# KiCad board nijuni.kicad_pcb
title: Nijuni; date: 2021-12-10; rev: 0.2
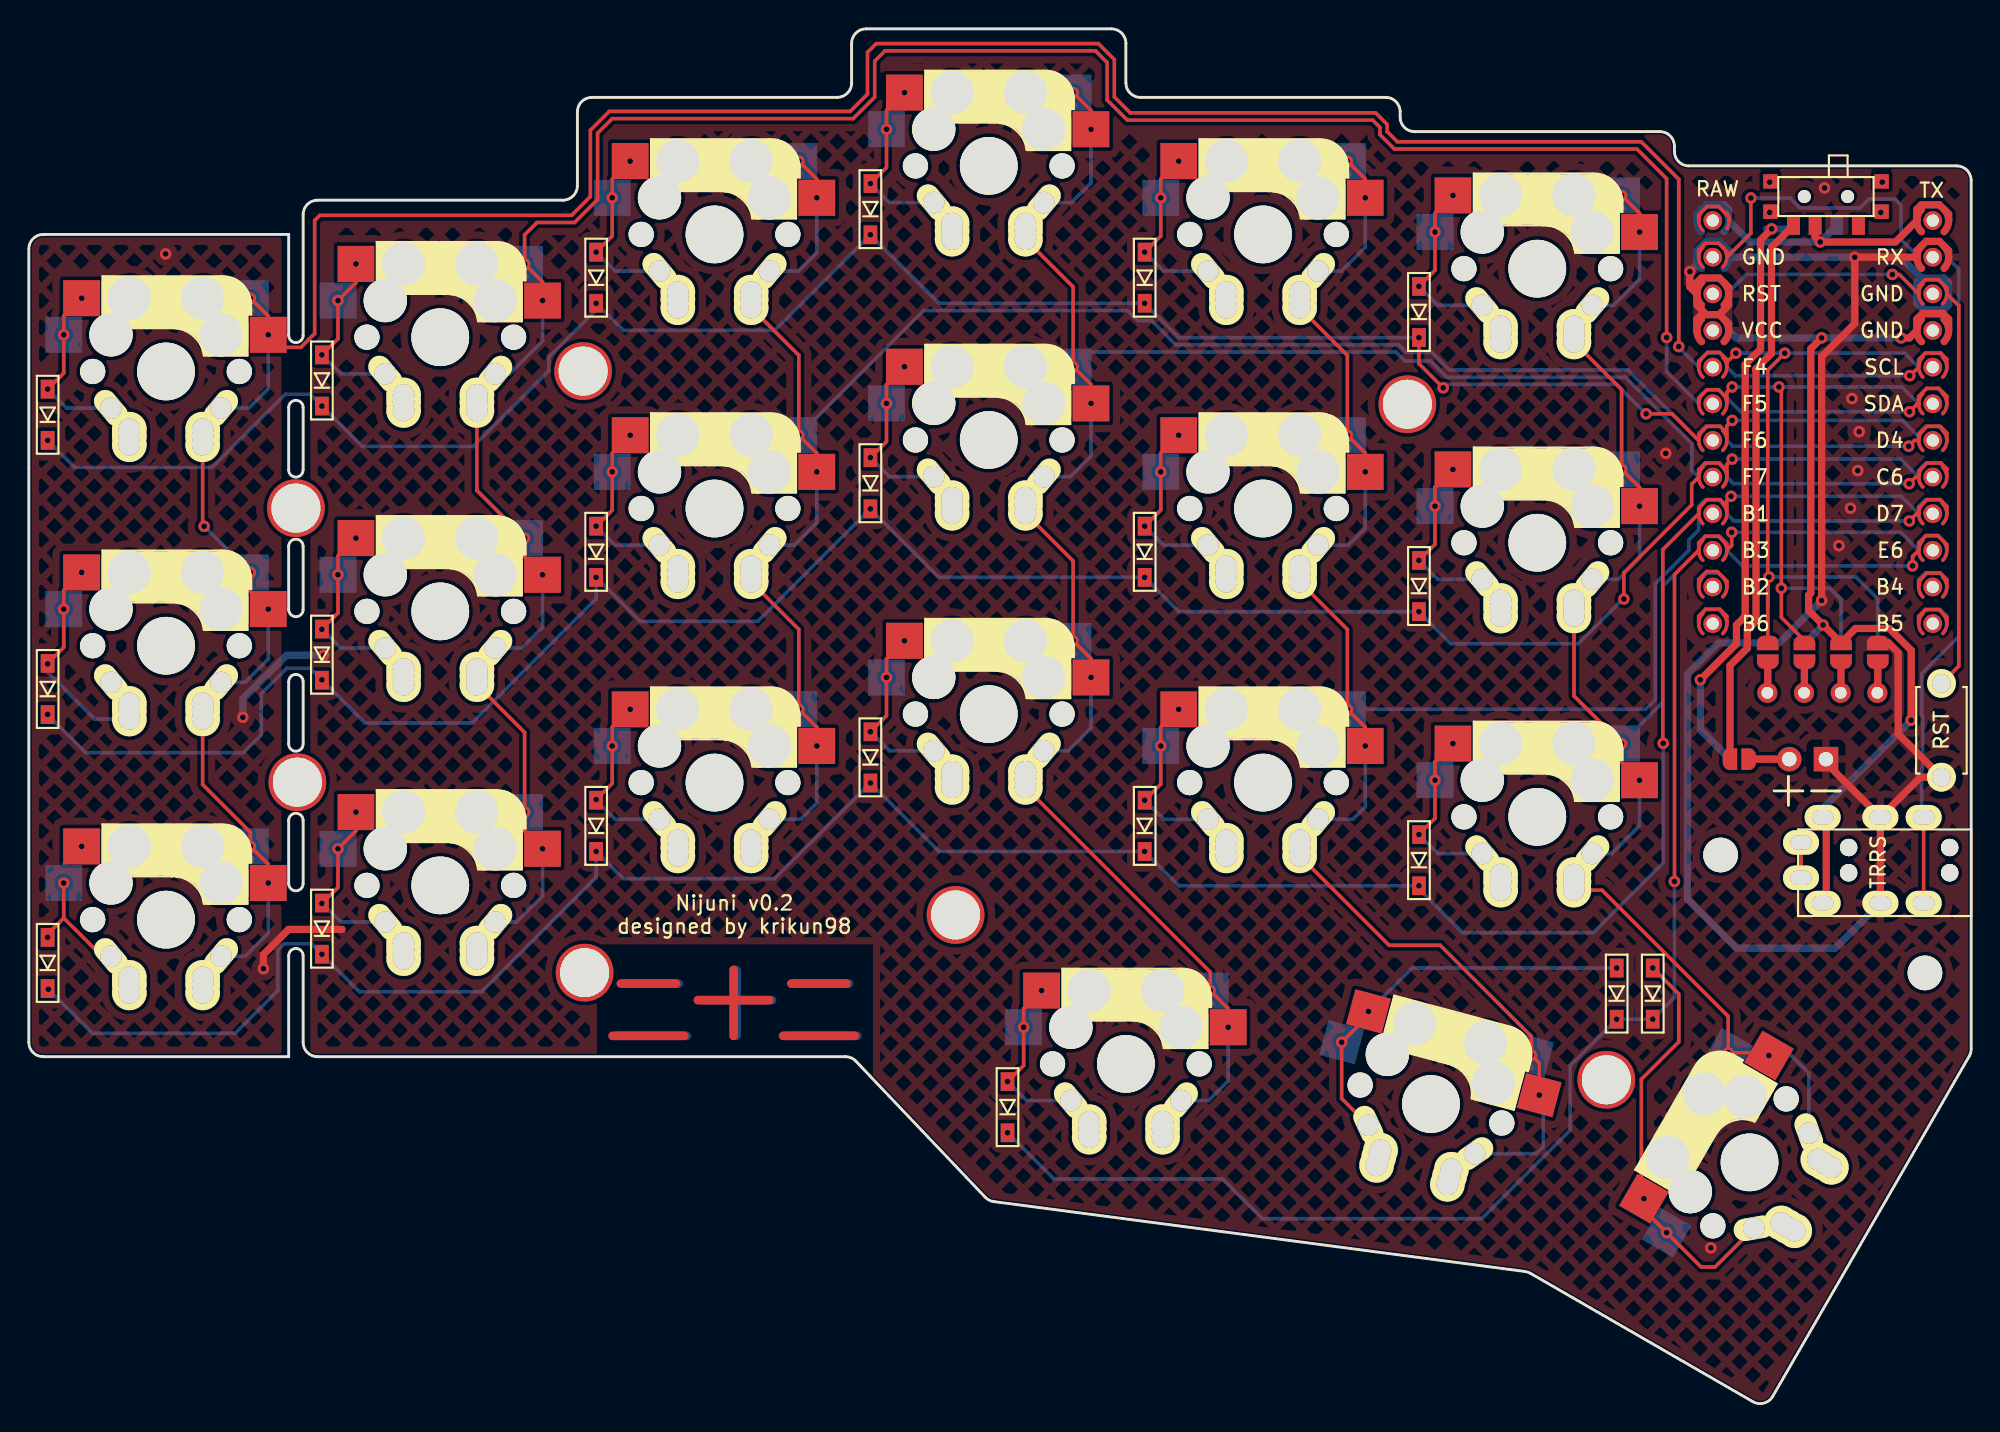
[diagram p0: board, top side]
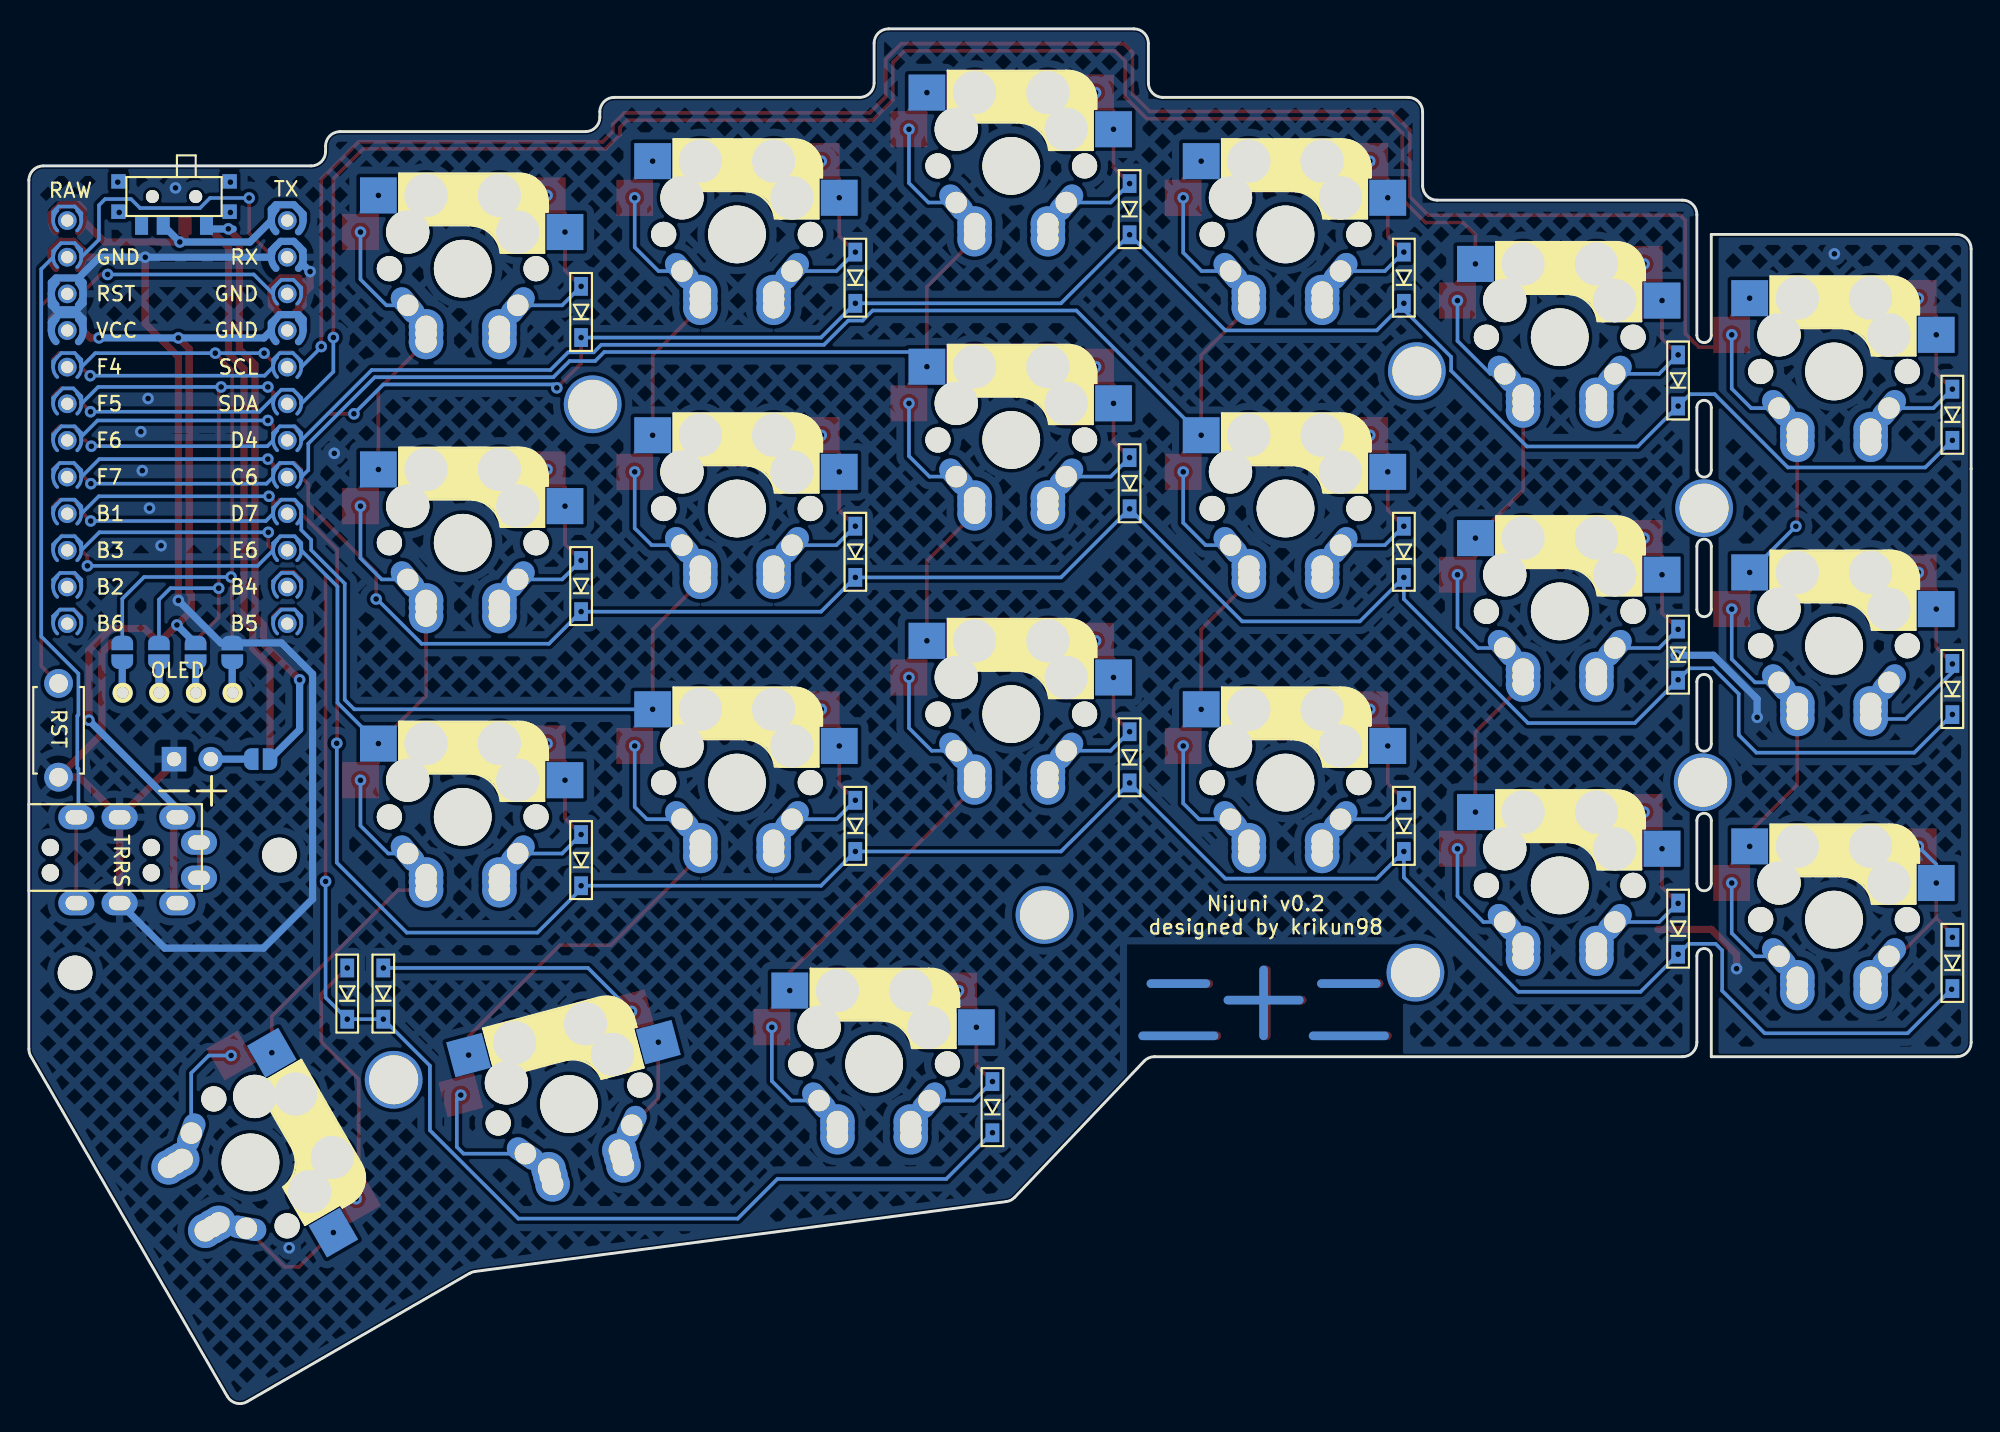
[diagram p1: board, bottom side, seen from below]

Outline 134.56 x 95.27 mm; copper layers: Top, Bottom. Coordinates in mm from the lower left corner of the outline.
Outline path: 0,80.02 arc(0.29,80.72) 1,81.02 18,81.02 18,74.02 arc(18.5,73.52) 19,74.02 19,82.39 arc(19.29,83.1) 20,83.39 37,83.39 arc(37.71,83.69) 38,84.39 38,89.52 arc(38.29,90.22) 39,90.52 56,90.52 arc(56.71,90.81) 57,91.52 57,94.27 arc(57.29,94.97) 58,95.27 75,95.27 arc(75.71,94.97) 76,94.27 76,91.52 arc(76.29,90.81) 77,90.52 94,90.52 arc(94.71,90.22) 95,89.52 95,89.14 arc(95.29,88.44) 96,88.14 113,88.14 arc(113.71,87.85) 114,87.14 114,86.77 arc(114.29,86.06) 115,85.77 133.56,85.77 arc(134.26,85.47) 134.56,84.77 134.56,24.55 arc(134.52,24.29) 134.42,24.05 120.81,0.47 arc(120.2,0) 119.44,0.1 104.02,9 arc(103.85,9.08) 103.66,9.13 66.85,13.97 arc(66.53,14.07) 66.26,14.27 57.29,23.71 arc(56.97,23.94) 56.58,24.02 20,24.02 arc(19.29,24.31) 19,25.02 19,31.02 arc(18.5,31.52) 18,31.02 18,24.02 0.99,24.02 arc(0.29,24.31) 0,25.01 0,64.77 0,80.02 ; 18,69.02 18,64.69 arc(18.5,64.19) 19,64.69 19,69.02 arc(18.5,69.52) 18,69.02 ; 18,59.39 arc(18.5,59.89) 19,59.39 19,55.02 arc(18.5,54.52) 18,55.02 18,59.39 ; 18,50.02 arc(18.5,50.52) 19,50.02 19,45.69 arc(18.5,45.19) 18,45.69 18,50.02 ; 18,40.39 18,36.02 arc(18.5,35.52) 19,36.02 19,40.39 arc(18.5,40.89) 18,40.39
Stack: Top 0.035mm / dielectric 0.72mm FR4 er 4.5 / Bottom 0.035mm

## Placement (name value [footprint] x y rotation side)
D1  D_Small  [D3_SMD]  1.3 68.52 90 top
D2  D_Small  [D3_SMD]  20.3 70.89 90 top
D3  D_Small  [D3_SMD]  39.3 78.02 90 top
D4  D_Small  [D3_SMD]  58.3 82.77 90 top
D5  D_Small  [D3_SMD]  77.3 78.02 90 top
D6  D_Small  [D3_SMD]  96.3 75.64 90 top
D7  D_Small  [D3_SMD]  1.3 49.5 90 top
D8  D_Small  [D3_SMD]  20.3 51.89 90 top
D9  D_Small  [D3_SMD]  39.3 59.02 90 top
D10  D_Small  [D3_SMD]  58.3 63.77 90 top
D11  D_Small  [D3_SMD]  77.3 59.02 90 top
D12  D_Small  [D3_SMD]  96.3 56.64 90 top
D13  D_Small  [D3_SMD]  1.3 30.52 90 top
D14  D_Small  [D3_SMD]  20.3 32.89 90 top
D15  D_Small  [D3_SMD]  39.3 40.02 90 top
D16  D_Small  [D3_SMD]  58.3 44.77 90 top
D17  D_Small  [D3_SMD]  77.3 40.02 90 top
D18  D_Small  [D3_SMD]  96.3 37.64 90 top
D20  D_Small  [D3_SMD]  67.8 20.52 90 top
D21  D_Small  [D3_SMD]  110 28.39 90 top
D22  D_Small  [D3_SMD]  112.5 28.39 90 top
H1  MountingHole  [M2-MountingHole-Standoff]  18.6 43.04 0 top
H2  MountingHole  [M2-MountingHole-Standoff]  18.5 62.04 0 top
H3  MountingHole  [M2-MountingHole-Standoff]  38.4 71.54 0 top
H4  MountingHole  [M2-MountingHole-Standoff]  38.5 29.84 0 top
H5  MountingHole  [M2-MountingHole-Standoff]  64.2 33.84 0 top
H6  MountingHole  [M2-MountingHole-Standoff]  95.5 69.24 0 top
H7  MountingHole  [M2-MountingHole-Standoff]  109.29 22.42 0 top
H8  MountingHole  [M2-ClearanceHole]  131.36 29.82 0 top
H9  MountingHole  [M2-ClearanceHole]  117.2 38 0 top
J1  -  [MJ-4PP-9]  134.57 36.77 270 top
J2  Conn_01x04  [OLED_v2]  124.25 49.24 180 bottom
J3  Conn_01x02_Female  [Battery_TH]  124.5 44.64 270 top
JP1  SolderJumper_2_Open  [SolderJumper-2_P1.3mm_Open_RoundedPad1.0x1.5mm]  120.47 52.05 90 top
JP2  SolderJumper_2_Open  [SolderJumper-2_P1.3mm_Open_RoundedPad1.0x1.5mm]  123.01 52.05 90 top
JP3  SolderJumper_2_Open  [SolderJumper-2_P1.3mm_Open_RoundedPad1.0x1.5mm]  125.55 52.05 90 top
JP4  SolderJumper_2_Open  [SolderJumper-2_P1.3mm_Open_RoundedPad1.0x1.5mm]  128.09 52.05 90 top
JP5  SolderJumper_2_Open  [SolderJumper-2_P1.3mm_Open_RoundedPad1.0x1.5mm]  120.47 52.05 90 bottom
JP6  SolderJumper_2_Open  [SolderJumper-2_P1.3mm_Open_RoundedPad1.0x1.5mm]  123.01 52.05 90 bottom
JP7  SolderJumper_2_Open  [SolderJumper-2_P1.3mm_Open_RoundedPad1.0x1.5mm]  125.55 52.05 90 bottom
JP8  SolderJumper_2_Open  [SolderJumper-2_P1.3mm_Open_RoundedPad1.0x1.5mm]  128.09 52.05 90 bottom
JP9  SolderJumper_2_Open  [SolderJumper-2_P1.3mm_Open_RoundedPad1.0x1.5mm]  118.5 44.64 180 top
JP10  SolderJumper_2_Open  [SolderJumper-2_P1.3mm_Open_RoundedPad1.0x1.5mm]  118.5 44.64 180 bottom
K1  KEYSW  [MX-Alps-HS-1U-REV]  9.5 71.52 0 top
K2  KEYSW  [MX-Alps-HS-1U-REV]  28.5 73.89 0 top
K3  KEYSW  [MX-Alps-HS-1U-REV]  47.5 81.02 0 top
K4  KEYSW  [MX-Alps-HS-1U-REV]  66.5 85.77 0 top
K5  KEYSW  [MX-Alps-HS-1U-REV]  85.5 81.02 0 top
K6  KEYSW  [MX-Alps-HS-1U-REV]  104.5 78.64 0 top
K7  KEYSW  [MX-Alps-HS-1U-REV]  9.5 52.5 0 top
K8  KEYSW  [MX-Alps-HS-1U-REV]  28.5 54.89 0 top
K9  KEYSW  [MX-Alps-HS-1U-REV]  47.5 62.02 0 top
K10  KEYSW  [MX-Alps-HS-1U-REV]  66.5 66.77 0 top
K11  KEYSW  [MX-Alps-HS-1U-REV]  85.5 62.02 0 top
K12  KEYSW  [MX-Alps-HS-1U-REV]  104.5 59.64 0 top
K13  KEYSW  [MX-Alps-HS-1U-REV]  9.5 33.52 0 top
K14  KEYSW  [MX-Alps-HS-1U-REV]  28.5 35.89 0 top
K15  KEYSW  [MX-Alps-HS-1U-REV]  47.5 43.02 0 top
K16  KEYSW  [MX-Alps-HS-1U-REV]  66.5 47.77 0 top
K17  KEYSW  [MX-Alps-HS-1U-REV]  85.5 43.02 0 top
K18  KEYSW  [MX-Alps-HS-1U-REV]  104.5 40.64 0 top
K20  KEYSW  [MX-Alps-HS-1U-REV]  76 23.52 0 top
K21  KEYSW  [MX-Alps-HS-1U-REV]  97.14 20.73 345 top
K22  KEYSW  [MX-Alps-HS-1.5U-REV]  119.2 16.69 60 top
RSW1  SW_PUSH  [ResetSW]  132.5 46.64 90 top
SW1  SW_SPDT  [SW_SPDT+H-MSK12C01_hor(7pin_SMD)]  124.5 83.64 180 top
SW2  SW_SPDT  [SW_SPDT+H-MSK12C01_hor(7pin_SMD)#2]  124.5 83.64 0 bottom
U1  ProMicro  [ProMicro_Flipped_v2_A]  124.28 69.27 0 top
U2  ProMicro  [ProMicro_Flipped_v2_B]  124.28 69.27 180 bottom

## Footprints (pads in the part's own frame, mm; a bottom-side part is the same pattern mirrored in y, then rotated)
Battery_TH
  rect 1.7x1.7 hole 1: 1(0,0)
  oval 1.7x1.7 hole 1: 2(0,-2.54)
D3_SMD
  rect 1.3x0.95 smd: 1(-1.775,0) 2(1.775,0)
  rect 1.3x0.95 smd far side: 1(-1.775,0) 2(1.775,0)
M2-ClearanceHole
  round 2.4 hole 2.4 unplated: (0,0)
M2-MountingHole-Standoff
  round 4 hole 3.4: (0,0)
MJ-4PP-9
  round 1.2 hole 1.2 unplated: (-1.75,-1.5) (-1.75,-8.5) (0,-1.5) (0,-8.5)
  oval 1.7x2.5 hole 1x1.5: A(-2.1,-11.8) A(0.35,-11.8) B(-3.85,-3.3) B(2.1,-3.3) C(-3.85,-6.3) C(2.1,-6.3) D(-3.85,-10.3) D(2.1,-10.3)
MX-Alps-HS-1.5U-REV
  round 1.75 hole 1.75 unplated: (-5.08,0) (5.08,0)
  round 3 hole 3 unplated: (-3.81,2.54) (-2.54,5.08) (2.54,5.08) (3.81,2.54)
  round 4 hole 4 unplated: (0,0)
  rect 2.55x2.5 smd far side: 1(-7.085,2.54) 2(5.842,5.08)
  rect 2.55x2.5 smd: 1(-5.842,5.08) 2(7.085,2.54)
  oval 2.8x1.55 hole 1.5 rot 130: 1(-3.81,-2.54)
  round 2.4 hole 1.5: 1(-2.54,-4.5) 1(-2.54,-4) 1(-2.54,-5.08) 2(2.54,-4.5) 2(2.54,-5.08) 2(2.54,-4)
  oval 2.8x1.55 hole 1.5 rot 50: 2(3.81,-2.54)
MX-Alps-HS-1U-REV
  round 1.75 hole 1.75 unplated: (-5.08,0) (5.08,0)
  round 3 hole 3 unplated: (-3.81,2.54) (-2.54,5.08) (2.54,5.08) (3.81,2.54)
  round 4 hole 4 unplated: (0,0)
  rect 2.55x2.5 smd far side: 1(-7.085,2.54) 2(5.842,5.08)
  rect 2.55x2.5 smd: 1(-5.842,5.08) 2(7.085,2.54)
  oval 2.8x1.55 hole 1.5 rot 130: 1(-3.81,-2.54)
  round 2.4 hole 1.5: 1(-2.54,-4) 1(-2.54,-4.5) 1(-2.54,-5.08) 2(2.54,-4) 2(2.54,-4.5) 2(2.54,-5.08)
  oval 2.8x1.55 hole 1.5 rot 50: 2(3.81,-2.54)
OLED_v2
  round 1.397 hole 0.813: 1(-3.81,0) 2(-1.27,0) 3(1.27,0) 4(3.81,0)
ProMicro_Flipped_v2_A
  round 1.3 hole 0.85: (-7.62,12.71) (-7.62,10.17) (-7.62,7.63) (-7.62,5.09) (-7.62,2.55) (-7.62,0.01) (-7.62,-2.53) (-7.62,-5.07) (-7.62,-7.61) (-7.62,-10.15) (-7.62,-12.69) (-7.62,-15.23) (7.62,12.71) (7.62,10.17) (7.62,7.63) (7.62,5.09) (7.62,2.55) (7.62,0.01) (7.62,-2.53) (7.62,-5.07) (7.62,-7.61) (7.62,-10.15) (7.62,-12.69) (7.62,-15.23)
  custom 0.536x1.625 smd far side: 1(6.645,12.71) 1(8.595,12.71) 2(6.645,10.17) 2(8.595,10.17) 5(6.645,2.55) 5(8.595,2.55) 6(6.645,0.01) 6(8.595,0.01) 7(6.645,-2.53) 7(8.595,-2.53) 8(6.645,-5.07) 8(8.595,-5.07) 9(6.645,-7.61) 9(8.595,-7.61) 10(6.645,-10.15) 10(8.595,-10.15) 11(6.645,-12.69) 11(8.595,-12.69) 12(6.645,-15.23) 12(8.595,-15.23) 13(-8.595,-15.23) 13(-6.645,-15.23) 14(-8.595,-12.69) 14(-6.645,-12.69) 15(-8.595,-10.15) 15(-6.645,-10.15) 16(-8.595,-7.61) 16(-6.645,-7.61) 17(-8.595,-5.07) 17(-6.645,-5.07) 18(-8.595,-2.53) 18(-6.645,-2.53) 19(-8.595,0.01) 19(-6.645,0.01) 20(-8.595,2.55) 20(-6.645,2.55) 22(-8.595,7.63) 22(-6.645,7.63)
  custom 0.822x2.052 smd far side: 3(6.52,7.63) 3(8.72,7.63) 4(6.52,5.09) 4(8.72,5.09) 21(-8.72,5.09) 21(-6.52,5.09) 23(-8.72,10.17) 23(-6.52,10.17) 24(-8.72,12.71) 24(-6.52,12.71)
ProMicro_Flipped_v2_B
  custom 0.401x1.363 smd far side: 1(6.495,12.71)
  custom 0.536x1.625 smd far side: 1(8.595,12.71) 2(6.645,10.17) 2(8.595,10.17) 5(6.645,2.55) 5(8.595,2.55) 6(6.645,0.01) 6(8.595,0.01) 7(6.645,-2.53) 7(8.595,-2.53) 8(6.645,-5.07) 8(8.595,-5.07) 9(6.645,-7.61) 9(8.595,-7.61) 10(6.645,-10.15) 10(8.595,-10.15) 11(6.645,-12.69) 11(8.595,-12.69) 12(6.645,-15.23) 12(8.595,-15.23) 13(-8.595,-15.23) 13(-6.645,-15.23) 14(-8.595,-12.69) 14(-6.645,-12.69) 15(-8.595,-10.15) 15(-6.645,-10.15) 16(-8.595,-7.61) 16(-6.645,-7.61) 17(-8.595,-5.07) 17(-6.645,-5.07) 18(-8.595,-2.53) 18(-6.645,-2.53) 19(-8.595,0.01) 19(-6.645,0.01) 20(-8.595,2.55) 20(-6.645,2.55) 22(-8.595,7.63) 22(-6.645,7.63)
  custom 0.822x2.052 smd far side: 3(6.52,7.63) 3(8.72,7.63) 4(6.52,5.09) 4(8.72,5.09) 21(-8.72,5.09) 21(-6.52,5.09) 23(-8.72,10.17) 23(-6.52,10.17) 24(-8.72,12.71) 24(-6.52,12.71)
ResetSW
  round 2 hole 1.3: 1(3.25,0) 2(-3.25,0)
SolderJumper-2_P1.3mm_Open_RoundedPad1.0x1.5mm
  custom 1x1.5 smd: 1(-0.65,0) 2(0.65,0)
SW_SPDT+H-MSK12C01_hor(7pin_SMD)
  round 0.9 hole 0.9 unplated: (-1.5,0) (1.5,0)
  rect 0.9x1.3 smd: 1(-2.25,2) 2(0.75,2) 3(2.25,2)
  rect 1x1 smd: H(-3.85,1.05) H(-3.85,-1.05) H(3.85,1.05) H(3.85,-1.05)
SW_SPDT+H-MSK12C01_hor(7pin_SMD)#2
  rect 0.9x1.3 smd: 1(-2.25,2) 2(0.75,2) 3(2.25,2)
  rect 1x1 smd: H(-3.85,-1.05) H(-3.85,1.05) H(3.85,-1.05) H(3.85,1.05)

## Nets
GND: J1.C J3.1 JP4.2 JP5.2 RSW1.2 U1.3 U1.4 U1.23 U2.3 U2.4 U2.23
VCC: J1.D JP3.2 JP6.2 U1.21 U2.21
COL0: K1.2 K7.2 K13.2 U1.20 U2.20
COL1: K2.2 K8.2 K14.2 U1.19 U2.19
COL2: K3.2 K9.2 K15.2 U1.18 U2.18
COL3: K4.2 K10.2 K16.2 K20.2 U1.17 U2.17
COL4: K5.2 K11.2 K17.2 K21.2 U1.16 U2.16
COL5: K6.2 K12.2 K18.2 K22.2 U1.15 U2.15
DATA: J1.B U1.2 U2.2
RAW: SW1.2 SW2.2 U1.24 U2.24
RESET: RSW1.1 U1.22 U2.22
ROW0: D1.1 D2.1 D3.1 D4.1 D5.1 D6.1 U1.7 U2.7
ROW1: D7.1 D8.1 D9.1 D10.1 D11.1 D12.1 U1.8 U2.8
ROW2: D13.1 D14.1 D15.1 D16.1 D17.1 D18.1 U1.9 U2.9
ROW3: D20.1 D21.1 D22.1 U1.10 U2.10
SCL: JP2.2 JP7.2 U1.6 U2.6
SDA: JP1.2 JP8.2 U1.5 U2.5
Net-(D1-Pad2): D1.2 K1.1
Net-(D2-Pad2): D2.2 K2.1
Net-(D3-Pad2): D3.2 K3.1
Net-(D4-Pad2): D4.2 K4.1
Net-(D5-Pad2): D5.2 K5.1
Net-(D6-Pad2): D6.2 K6.1
Net-(D7-Pad2): D7.2 K7.1
Net-(D8-Pad2): D8.2 K8.1
Net-(D9-Pad2): D9.2 K9.1
Net-(D10-Pad2): D10.2 K10.1
Net-(D11-Pad2): D11.2 K11.1
Net-(D12-Pad2): D12.2 K12.1
Net-(D13-Pad2): D13.2 K13.1
Net-(D14-Pad2): D14.2 K14.1
Net-(D15-Pad2): D15.2 K15.1
Net-(D16-Pad2): D16.2 K16.1
Net-(D17-Pad2): D17.2 K17.1
Net-(D18-Pad2): D18.2 K18.1
Net-(D20-Pad2): D20.2 K20.1
Net-(D21-Pad2): D21.2 K21.1
Net-(D22-Pad2): D22.2 K22.1
Net-(J2-Pad1): J2.1 JP4.1 JP8.1
Net-(J2-Pad2): J2.2 JP3.1 JP7.1
Net-(J2-Pad3): J2.3 JP2.1 JP6.1
Net-(J2-Pad4): J2.4 JP1.1 JP5.1
Net-(J3-Pad2): J3.2 JP9.1 JP10.1
Net-(JP9-Pad2): JP9.2 SW1.3
Net-(JP10-Pad2): JP10.2 SW2.1

Pads without a net: J1 A; SW1 1 H; SW2 3 H; U1 1 11 12 13 14; U2 1 11 12 13 14

## Via types
v1: diameter 0.8, hole 0.4, Top to Bottom, 178 vias

## Routing (per net, layer and track width the routed paths; a pad name or vN(x,y) marks a point on that pad's centre or on a via; arc(x,y) is an arc through that point)
GND: length 163.1
  Top w0.5: v1(115.07,78.44) 115.07,77.38 U2.3 ; v1(16.25,30.12) 16.25,31.1 17.99,32.84 21.7,32.84 ; U2.4 115.56,75.14 115.87,75.46 117.11,75.46 117.76,74.81 U2.4 ; JP4.2 128.84,52.7 129.5,52.03 129.5,46.39 RSW1.2 131.05,43.39 J1.C ; U2.3 115.56,76.11 116.22,75.46 ; U2.3 115.56,77.68 115.87,78 117.11,78 117.76,77.35 U2.3 117.76,76.11 117.1,75.46 ; v1(124.2,55.64) 124.2,72.54 126.5,74.84 126.5,79.43 v1(126.49,79.44) U2.23 130.8,79.89 131.44,80.54 132.35,80.54 133,79.89 U2.23 ; J1.C 124.5,44.39 J3.1 ; J1.C J1.C
  Bottom w0.5: v1(14.82,47.54) 14.82,48.82 17.85,51.84 v1(20.42,51.84) ; 131.11,78 130.8,77.68 U1.3 130.8,76.24 131.24,75.8 132.68,75.8 133,76.11 U1.3 133,77.68 132.68,78 131.11,78 ; 131.11,78 129.67,79.44 v1(126.49,79.44) U1.23 117.76,79.89 117.11,80.54 116.2,80.54 115.56,79.89 U1.23 115.56,78.93 v1(115.07,78.44) ; J1.C 125.15,31.54 118.3,31.54 114.9,34.94 114.9,50.54 117.05,52.7 JP5.2 121.25,52.7 v1(124.2,55.64) ; U1.4 133,74.94 132.49,75.46 131.11,75.46 130.8,75.14 U1.4
  vias: v1(9.47,79.67) v1(113.4,65.84) v1(116.52,10.77) v1(124.4,84.24) v1(125.4,59.44) v1(126.2,62.04) v1(126.3,69.64) v1(126.7,64.64) v1(126.8,67.34)
VCC: length 71.9
  Top w0.5: J1.D 124.52,34.92 124.52,40.37 J1.D ; U2.21 133,75.14 132.6,75.54 131.2,75.54 130.8,75.14 U2.21 130.28,73.84 v1(129.7,73.84) ; v1(124.2,73.84) 123.45,73.09 123.45,56.16 123.3,56.01 123.3,54.94 v1(124.3,53.94) JP3.2 126.55,53.7 128.89,53.7 130.4,52.19 v1(130.4,47.34)
  Bottom w0.5: v1(129.7,73.84) v1(124.2,73.84) 118.27,73.84 U1.21 117.76,74.88 117.19,75.46 115.87,75.46 115.56,75.14 U1.21 ; v1(130.4,47.34) 124.27,41.21 J1.D ; v1(124.3,53.94) 123.05,52.7 JP6.2
(no net):
  vias: v1(120.6,84.64) v1(120.6,82.54) v1(128.3,82.54) v1(128.4,84.64)
COL0: length 216.7
  Top w0.25: v1(12.14,60.78) 12.04,60.89 K1.2 K1.2 K1.2 13.31,68.79 K1.2 ; K13.2 13.31,30.79 K13.2 K13.2 K13.2 ; v1(130.3,71.22) 130.33,71.22 U2.20 130.92,72.33 131.38,72.79 132.45,72.79 132.87,72.37 U2.20 ; v1(16.58,36.06) 16.58,37.35 v1(15.34,38.6) 15.34,39.58 12.04,42.88 K7.2 K7.2 K7.2 13.31,49.77 K7.2 ; v1(15.34,76.6) 16.58,75.35 v1(16.58,74.06) 17.45,73.19 18.85,73.19 19.8,74.14 19.8,81.99 20.15,82.34 37.6,82.34 38.9,83.64 38.9,88.24 40.2,89.54 56.9,89.54 58.1,90.74 58.1,93.64 58.7,94.24 74.1,94.24 75.2,93.14 75.2,90.54 76.3,89.44 93.3,89.44 94.1,88.64 94.1,88.14 94.8,87.44 111.7,87.44 114.3,84.84 v1(114.3,73.24) ; v1(16.58,55.04) 15.34,56.29 v1(15.34,57.58)
  Bottom w0.25: K1.2 15.23,68.98 16.58,70.33 v1(16.58,74.06) ; v1(12.14,60.78) v1(15.34,57.58) ; v1(114.3,73.24) 114.3,73.2 U1.20 115.68,72.22 116.25,72.79 117.17,72.79 117.63,72.33 U1.20 118.23,71.22 v1(130.3,71.22) ; K7.2 14.97,49.96 16.58,51.58 v1(16.58,55.04) ; v1(16.58,36.06) 16.58,32.58 14.98,30.98 K13.2
COL1: length 193.8
  Top w0.25: U2.19 132.87,69.79 132.32,70.34 131.47,70.34 130.92,69.79 U2.19 130.84,69.28 v1(130.29,68.73) ; K8.2 32.31,52.16 K8.2 K8.2 34.34,46.5 v1(34.34,40.97) 34.34,39.68 v1(35.58,38.43) ; K2.2 31.04,70.08 K2.2 K2.2 K2.2 31.04,63.27 v1(34.34,59.97) 34.34,58.67 v1(35.58,57.43) ; K14.2 32.31,33.16 K14.2 K14.2 K14.2 ; v1(113.46,73.87) 113.46,84.88 111.4,86.94 94.59,86.94 93.6,87.94 93.6,88.44 93.1,88.94 76.1,88.94 74.7,90.34 74.7,92.94 73.89,93.74 59.31,93.74 58.6,93.04 58.6,90.54 57.11,89.04 40.41,89.04 39.4,88.04 39.4,83.44 37.81,81.84 35.2,81.84 34.34,80.98 v1(34.34,78.97) 35.58,77.73 v1(35.58,76.43)
  Bottom w0.25: v1(35.58,57.43) 35.58,53.78 34.15,52.35 K8.2 ; v1(130.29,68.73) 118.59,68.73 117.06,70.25 116.25,70.25 115.68,69.68 U1.19 113.46,71.5 v1(113.46,73.87) ; 117.63,69.68 U1.19 ; K2.2 33.3,71.35 35.58,73.63 v1(35.58,76.43) ; K14.2 33.78,33.35 35.58,35.15 v1(35.58,38.43)
COL2: length 151.5
  Top w0.25: v1(54.58,45.56) 54.58,46.85 v1(53.34,48.1) 53.34,53.64 K9.2 K9.2 K9.2 50.04,58.21 K9.2 ; v1(54.58,83.56) 54.58,84.85 v1(53.34,86.1) ; K15.2 50.04,39.21 K15.2 K15.2 K15.2 ; U2.18 132.87,67.25 132.41,67.71 131.49,67.71 130.92,67.14 U2.18 130.63,66.74 v1(130.23,66.34) ; v1(54.58,64.56) 54.58,65.85 v1(53.34,67.1) 53.34,72.64 K3.2 K3.2 K3.2 50.04,77.21 K3.2
  Bottom w0.25: v1(54.58,45.56) 54.58,41.58 53.48,40.48 K15.2 ; v1(54.58,83.56) 54.58,79.75 53.31,78.48 K3.2 ; v1(53.34,67.1) 61.99,75.74 76.1,75.74 76.8,75.04 77.79,75.04 79.47,73.37 94.9,73.37 95.42,72.84 97.2,72.84 98.43,71.62 110.8,71.62 U1.18 115.68,67.25 116.14,67.71 117.17,67.71 117.63,67.25 U1.18 118.04,66.34 v1(130.23,66.34) ; v1(54.58,64.56) 54.58,61.03 53.03,59.48 K9.2
COL3: length 163.1
  Top w0.25: K10.2 69.04,62.96 K10.2 K10.2 K10.2 72.34,58.39 v1(72.34,52.85) 73.58,51.6 v1(73.58,50.31) ; v1(130.26,63.74) 130.72,64.2 U2.17 130.92,64.6 131.49,65.17 132.47,65.17 132.87,64.77 U2.17 ; K20.2 78.54,19.71 K20.2 K20.2 K20.2 ; v1(72.34,90.85) 73.58,89.6 v1(73.58,88.31) ; K4.2 69.04,81.96 K4.2 K4.2 K4.2 72.34,77.39 v1(72.34,71.85) 73.58,70.6 v1(73.58,69.31) ; v1(83.08,26.06) 83.08,27.35 v1(81.84,28.6) 81.84,29.89 K16.2 K16.2 K16.2 69.04,43.96 K16.2
  Bottom w0.25: v1(130.26,63.74) 118.09,63.74 U1.17 117.63,64.71 117.17,65.17 116.25,65.17 115.68,64.6 U1.17 115.2,64.68 115.2,66.51 110.6,71.12 98.22,71.12 97.1,72.24 95.32,72.24 94.69,72.87 73.33,72.87 72.34,71.88 v1(72.34,71.85) ; v1(73.58,50.31) 73.58,46.8 72.01,45.23 K16.2 ; K4.2 72.23,83.23 73.58,84.58 v1(73.58,88.31) ; v1(73.58,69.31) 73.58,65.65 72.16,64.23 K10.2 ; K20.2 81.74,20.98 83.08,22.33 v1(83.08,26.06)
COL4: length 155.1
  Top w0.25: K11.2 89.31,59.29 K11.2 K11.2 K11.2 91.34,53.64 v1(91.34,48.1) 92.58,46.85 v1(92.58,45.56) ; K21.2 99.08,16.21 K21.2 98.42,16.08 K21.2 98.27,15.58 K21.2 ; U2.16 132.87,62.17 132.41,62.63 131.49,62.63 130.92,62.06 U2.16 130.78,61.66 v1(130.27,61.15) ; v1(104.64,21.35) 104.64,23.59 v1(104.09,24.13) 104.09,25.42 97.77,31.74 94.23,31.74 K17.2 K17.2 88.04,39.21 K17.2 ; v1(92.58,83.56) 92.58,84.85 v1(91.34,86.1) ; K5.2 89.31,78.29 K5.2 K5.2 91.34,72.64 v1(91.34,67.1) 92.58,65.85 v1(92.58,64.56)
  Bottom w0.25: v1(92.58,64.56) 92.58,60.65 91.41,59.48 K11.2 ; K5.2 90.93,78.48 92.58,80.13 v1(92.58,83.56) ; v1(92.58,45.56) 92.58,41.33 91.73,40.48 K17.2 ; v1(104.64,21.35) 104.91,21.08 104.91,17.76 104.45,17.3 K21.2 ; v1(91.34,48.1) 112.01,48.1 112.68,48.76 112.68,56.82 115,59.14 115,59.84 115.68,60.53 U1.16 115.68,62.17 116.14,62.63 117.06,62.63 117.63,62.06 U1.16 118.14,61.15 v1(130.27,61.15)
COL5: length 128.1
  Top w0.25: K18.2 108.31,37.91 K18.2 K18.2 108.98,35.56 117.73,26.81 v1(117.73,24.29) 120.35,24.29 v1(120.55,24.1) ; K22.2 124.58,16.64 K22.2 124.12,16.89 K22.2 123.31,17.52 K22.2 ; v1(110.34,83.72) 111.58,82.48 v1(111.58,81.18) ; U2.15 132.87,59.52 132.25,60.14 131.43,60.14 130.92,59.63 U2.15 130.5,58.69 v1(130.5,58.04) ; K6.2 108.31,75.91 K6.2 K6.2 110.34,70.26 v1(110.34,64.72) 111.58,63.48 v1(111.58,62.18) ; v1(111.58,43.18) 110.34,44.43 v1(110.34,45.72) 107.04,49.02 K12.2 K12.2 K12.2 108.31,56.91 K12.2
  Bottom w0.25: v1(130.5,58.04) 118.71,58.04 U1.15 117.63,59.61 117.15,60.09 116.14,60.09 115.68,59.63 U1.15 113.17,56.61 113.17,48.56 v1(110.34,45.72) ; v1(111.58,43.18) 111.58,40.03 109.66,38.1 K18.2 ; K6.2 109.78,76.1 111.58,77.9 v1(111.58,81.18) ; v1(120.55,24.1) 122.1,24.1 123.31,22.88 K22.2 ; v1(111.58,62.18) 111.58,58.58 110.11,57.1 K12.2
DATA: length 72.9
  Top w0.25: U2.2 115.68,79.95 116.14,80.41 117.06,80.41 117.63,79.84 U2.2 119.3,81.1 v1(119.3,83.54) ; J1.B J1.B
  Bottom w0.25: J1.B 131.13,40.76 131.13,43.96 131.2,44.04 131.2,47.64 131.13,47.71 131.13,50.57 133.7,53.14 133.7,78.61 U1.2 132.87,79.87 132.33,80.41 131.38,80.41 130.92,79.95 U1.2 129.7,80.66 129.7,83.04 129.28,83.47 127.48,83.47 126.85,82.84 122.7,82.84 122,83.54 v1(119.3,83.54)
RAW: length 24.9
  Top w0.5: U2.24 133,82.43 132.35,83.08 131.11,83.08 130.8,82.76 U2.24 129.31,80.49 v1(124.1,80.49) 123.75,80.84 SW1.2
  Bottom w0.5: SW2.2 v1(124.1,80.49) 119.24,80.49 U1.24 117.76,82.76 117.44,83.08 116.2,83.08 115.56,82.43 U1.24
RESET: length 48.8
  Top w0.25: v1(129.1,78.24) 129.58,78.24 U2.22 130.92,77.41 131.38,77.87 132.3,77.87 132.87,77.3 U2.22 133.7,76.07 133.7,51.09 RSW1.1
  Bottom w0.25: v1(129.1,78.24) 118.98,78.24 U1.22 117.63,77.3 117.06,77.87 116.23,77.87 115.68,77.33 U1.22
ROW0: length 155.4
  Top w0.25: U2.7 117.63,67.75 v1(118,68.12) ; v1(112.04,68.58) 113.84,68.58 U2.7 115.68,67.14 116.25,67.71 117.17,67.71 117.63,67.25 ; v1(96.3,73.87) 96.3,72.06 v1(97.98,70.38)
  Bottom w0.25: U1.7 132.87,67.14 132.3,67.71 131.38,67.71 130.92,67.25 U1.7 ; v1(96.3,73.87) 79.67,73.87 v1(77.3,76.24) 63.05,76.24 v1(58.3,80.99) 51.67,74.36 41.18,74.36 v1(39.3,76.24) 39.3,75.8 36.03,72.53 36.03,71.57 30.77,66.32 23.1,66.32 v1(20.3,69.12) 19.47,69.94 17.77,69.94 12.69,64.86 3.18,64.86 v1(1.3,66.74) ; v1(97.98,70.38) 98.22,70.62 110,70.62 v1(112.04,68.58) ; 130.92,66.99 129.8,68.12 v1(118,68.12)
ROW1: length 162.3
  Top w0.25: v1(110.5,55.74) 110.5,57.57 115.2,62.27 115.2,63.71 U2.8 115.68,64.71 116.14,65.17 117.06,65.17 117.63,64.6 ; v1(118,65.44) 117.63,65.08 U2.8
  Bottom w0.25: D7.1 3.94,45.09 14.87,45.09 16.1,46.32 16.1,49.17 17.87,50.94 19.5,50.94 v1(20.3,50.14) 23.3,47.14 30.7,47.14 39.3,55.74 v1(39.3,57.24) 42.35,54.19 50.5,54.19 v1(58.3,61.99) 63.05,57.24 v1(77.3,57.24) 79.67,54.87 v1(96.3,54.87) 98.52,52.64 107.35,52.64 110.45,55.74 v1(110.5,55.74) ; U1.8 132.87,64.71 132.41,65.17 131.43,65.17 130.92,64.67 U1.8 129.68,65.44 v1(118,65.44)
  vias: v1(1.3,47.74)
ROW2: length 180
  Top w0.25: U2.9 117.63,62.58 v1(117.92,62.87) ; 117.63,62.17 117.17,62.63 116.25,62.63 115.68,62.06 U2.9 113.2,59.17 113.2,45.77 v1(113.23,45.74)
  Bottom w0.25: D13.1 v1(1.35,28.69) 4.4,25.64 14.3,25.64 17.25,28.59 17.25,31.39 17.7,31.84 19.57,31.84 v1(20.3,31.12) 22.9,28.52 31.37,28.52 39.3,36.44 v1(39.3,38.24) 41.18,36.36 51.67,36.36 v1(58.3,42.99) 63.05,38.24 v1(77.3,38.24) 79.67,35.87 v1(96.3,35.87) 96.3,35.64 99.32,32.62 108.37,32.62 113.23,37.47 v1(113.23,45.74) ; U1.9 132.87,62.06 132.3,62.63 131.38,62.63 130.92,62.17 U1.9 129.72,62.87 v1(117.92,62.87)
ROW3: length 111
  Top w0.25: v1(117.97,60.37) 117.97,59.45 U2.10 117.63,59.52 117.06,60.09 116.14,60.09 115.68,59.63 U2.10 114.01,57.44 114.01,36.17 v1(114,36.17)
  Bottom w0.25: v1(114,36.17) 114,36.17 114,28.12 v1(112.5,26.62) v1(110,26.62) 106.77,23.39 106.77,18.92 100.65,12.79 85.45,12.79 82.7,15.54 71,15.54 v1(67.8,18.74) 67.8,18.92 ; U1.10 132.87,59.52 132.3,60.09 131.38,60.09 130.92,59.63 U1.10 129.67,60.37 v1(117.97,60.37)
SCL: length 46.9
  Top w0.25: 117.63,69.68 117.06,70.25 116.25,70.25 115.68,69.68 U2.6 ; U2.6 117.63,70.08 v1(118,70.44) ; v1(121.24,70.44) 121.41,70.28 121.41,54.47 123.01,52.87 JP2.2
  Bottom w0.25: JP7.2 125.55,55.7 124.75,56.49 v1(121.41,56.49) ; v1(118,70.44) 129.76,70.44 U1.6 130.92,69.79 131.47,70.34 132.21,70.34 132.87,69.68 U1.6
SDA: length 54.4
  Top w0.25: JP1.2 120.47,57.18 v1(120.55,57.27) ; 117.63,72.16 v1(118.26,72.79) ; U2.5 117.63,72.33 117.12,72.84 116.31,72.84 115.68,72.22 U2.5 ; v1(121.64,72.79) 120.47,71.61 120.47,55.33
  Bottom w0.25: U1.5 132.87,72.22 132.3,72.79 131.38,72.79 130.92,72.33 U1.5 129.95,72.79 v1(121.64,72.79) v1(118.26,72.79) ; v1(120.55,57.27) 126.57,57.27 128.09,55.76 JP8.2
Net-(D1-Pad2): length 15.3
  Top w0.25: v1(1.3,70.29) 2.41,71.41 v1(2.41,74.06) 2.41,75.35 v1(3.66,76.6) ; K1.1 K1.1 K1.1 5.69,68.79 K1.1
  Bottom w0.25: v1(1.3,70.29) 2.61,68.98 K1.1
Net-(D2-Pad2): length 15.3
  Top w0.25: v1(20.3,72.67) 21.41,73.78 v1(21.41,76.43) 22.66,77.68 v1(22.66,78.97) ; K2.1 25.96,70.08 K2.1 K2.1 K2.1
  Bottom w0.25: K2.1 21.61,71.35 v1(20.3,72.67)
Net-(D3-Pad2): length 15.3
  Top w0.25: K3.1 K3.1 K3.1 44.96,77.21 K3.1 ; v1(39.3,79.79) 40.41,80.91 v1(40.41,83.56) 40.41,84.85 v1(41.66,86.1)
  Bottom w0.25: K3.1 40.61,78.48 v1(39.3,79.79)
Net-(D4-Pad2): length 15.3
  Top w0.25: v1(60.66,90.85) 59.41,89.6 59.41,85.66 v1(58.3,84.54) ; K4.1 63.96,81.96 K4.1 K4.1 K4.1
  Bottom w0.25: v1(58.3,84.54) 59.61,83.23 K4.1
  vias: v1(59.41,88.31)
Net-(D5-Pad2): length 15.3
  Top w0.25: v1(79.66,86.1) 78.41,84.85 v1(78.41,83.56) 78.41,80.91 v1(77.3,79.79) ; K5.1 K5.1 K5.1 82.96,77.21 K5.1
  Bottom w0.25: K5.1 78.61,78.48 v1(77.3,79.79)
Net-(D6-Pad2): length 15.3
  Top w0.25: K6.1 101.96,74.83 K6.1 K6.1 K6.1 ; v1(98.66,83.72) 97.41,82.48 v1(97.41,81.18) 97.41,78.53 v1(96.3,77.42)
  Bottom w0.25: v1(96.3,77.42) 97.61,76.1 K6.1
Net-(D7-Pad2): length 17.9
  Top w0.25: K7.1 K7.1 K7.1 6.96,48.69 K7.1 ; D7.2 2.41,52.39 v1(2.41,55.04) 2.41,56.34 v1(3.66,57.58)
  Bottom w0.25: K7.1 4.54,47.42 1.3,50.67 v1(1.3,51.24)
Net-(D8-Pad2): length 15.3
  Top w0.25: K8.1 K8.1 K8.1 25.96,51.08 K8.1 ; D8.2 21.41,54.78 v1(21.41,57.43) 21.41,58.72 v1(22.66,59.97)
  Bottom w0.25: D8.2 21.61,52.35 K8.1
  vias: v1(20.3,53.64)
Net-(D9-Pad2): length 15.3
  Top w0.25: K9.1 44.96,58.21 K9.1 K9.1 K9.1 ; v1(41.66,67.1) 40.41,65.85 v1(40.41,64.56) 40.41,61.91 v1(39.3,60.79)
  Bottom w0.25: K9.1 40.61,59.48 v1(39.3,60.79)
Net-(D10-Pad2): length 15.3
  Top w0.25: K10.1 63.96,62.96 K10.1 K10.1 K10.1 ; v1(58.3,65.54) 59.41,66.66 59.41,70.6 v1(60.66,71.85)
  Bottom w0.25: v1(58.3,65.54) 59.61,64.23 K10.1
  vias: v1(59.41,69.31)
Net-(D11-Pad2): length 15.3
  Top w0.25: v1(79.66,67.1) 78.41,65.85 v1(78.41,64.56) 78.41,61.91 v1(77.3,60.79) ; K11.1 82.96,58.21 K11.1 K11.1 K11.1
  Bottom w0.25: K11.1 78.61,59.48 v1(77.3,60.79)
Net-(D12-Pad2): length 15.3
  Top w0.25: K12.1 101.96,55.83 K12.1 K12.1 K12.1 ; v1(96.3,58.42) 97.41,59.53 97.41,63.48 v1(98.66,64.72)
  Bottom w0.25: K12.1 97.61,57.1 v1(96.3,58.42)
  vias: v1(97.41,62.18)
Net-(D13-Pad2): length 14.7
  Top w0.25: v1(1.3,32.29) 1.3,32.51 2.41,33.63 ; K13.1 K13.1 K13.1 6.96,29.71 K13.1 5.07,30.98 2.41,33.63 ; 2.41,33.63 v1(2.41,36.06)
  Bottom w0.25: v1(3.66,38.6) 2.41,37.35 v1(2.41,36.06)
Net-(D14-Pad2): length 15.3
  Top w0.25: v1(20.3,34.64) 21.41,35.76 v1(21.41,38.43) 22.66,39.68 v1(22.66,40.97) ; K14.1 24.69,33.16 K14.1 K14.1 K14.1
  Bottom w0.25: K14.1 21.61,33.35 D14.2
Net-(D15-Pad2): length 15.2
  Top w0.25: K15.1 44.96,39.21 K15.1 K15.1 K15.1 ; v1(41.66,48.1) 40.41,46.85 40.41,42.96 v1(39.3,41.84)
  Bottom w0.25: D15.2 40.61,40.48 K15.1
  vias: v1(40.41,45.56)
Net-(D16-Pad2): length 15.3
  Top w0.25: K16.1 K16.1 K16.1 63.96,43.96 K16.1 ; v1(60.66,52.85) 59.41,51.6 v1(59.41,50.31) 59.41,47.66 v1(58.3,46.54)
  Bottom w0.25: K16.1 59.61,45.23 v1(58.3,46.54)
Net-(D17-Pad2): length 15.3
  Top w0.25: K17.1 K17.1 K17.1 82.96,39.21 K17.1 ; v1(79.66,48.1) 78.41,46.85 78.41,42.91 v1(77.3,41.79)
  Bottom w0.25: v1(77.3,41.79) 78.61,40.48 K17.1
  vias: v1(78.41,45.56)
Net-(D18-Pad2): length 15.3
  Top w0.25: K18.1 101.96,36.83 K18.1 K18.1 K18.1 ; v1(96.3,39.42) 97.41,40.53 97.41,44.48 v1(98.66,45.72)
  Bottom w0.25: K18.1 97.61,38.1 v1(96.3,39.42)
  vias: v1(97.41,43.18)
Net-(D20-Pad2): length 15.3
  Top w0.25: K20.1 73.46,19.71 K20.1 K20.1 K20.1 ; v1(67.8,22.29) 68.91,23.41 v1(68.91,26.06) 68.91,27.35 v1(70.16,28.6)
  Bottom w0.25: v1(67.8,22.29) 69.11,20.98 K20.1
Net-(D21-Pad2): length 31.1
  Top w0.25: K21.1 93.37,16.9 K21.1 93.52,17.4 K21.1 93.65,18.42 K21.1 90.95,21.12 v1(90.95,25.02) 92.81,26.88 v1(92.81,27.15)
  Bottom w0.25: v1(92.81,27.15) 95.82,30.17 v1(110,30.17)
Net-(D22-Pad2): length 32.2
  Top w0.25: v1(112.5,30.17) 114.3,28.37 114.3,25.04 111.71,22.45 111.71,14.34 v1(111.88,14.17) 111.88,13.4 v1(113.46,11.82) 115.85,9.44 116.82,9.44 K22.1 119.87,12.49 K22.1 121.65,12.24 K22.1 122.12,11.95 K22.1
Net-(J2-Pad1): length 4.3
  Top w0.5: 128.09,49.27 128.09,49.27 JP4.1
  Bottom w0.5: 128.09,49.27 128.09,51.39 JP4.1
Net-(J2-Pad2): length 4.3
  Top w0.5: JP3.1 125.55,49.27 125.55,49.27
  Bottom w0.5: 125.55,49.27 125.55,51.39 JP3.1
Net-(J2-Pad3): length 4.3
  Top w0.5: JP2.1 123.01,49.27 123.01,49.27
  Bottom w0.5: 123.01,49.27 123.01,51.39 JP2.1
Net-(J2-Pad4): length 4.3
  Top w0.5: 120.47,49.27 120.47,49.27 JP1.1
  Bottom w0.5: 120.47,49.27 120.47,51.39 JP1.1
Net-(J3-Pad2): length 5.6
  Top w0.5: JP9.1 J3.2
  Bottom w0.5: J3.2 JP9.1
Net-(JP9-Pad2): length 38.8
  Top w0.5: SW1.3 120.73,80.12 120.73,72.77 119.65,71.69 119.65,71.69 119.65,54.23 119.05,53.63 119.05,52.33 117.85,51.13 JP9.2
Net-(JP10-Pad2): length 41.6
  Top w0.5: v1(120.74,81.4) 119.97,80.63 119.97,73.07 119.97,73.07 118.9,72 118.9,54.54 118.3,53.94 118.3,52.64 v1(115.8,50.14)
  Bottom w0.5: SW2.1 122,81.39 120.4,81.39 ; v1(115.8,50.14) 115.8,46.69 JP10.2
unconnected-(J1-PadA): length 2.5
  Top w0.25: J1.A J1.A
unconnected-(U1-Pad1): length 3.4
  Bottom w0.25: U1.1 132.87,82.57 132.49,82.95 131.38,82.95 130.92,82.49 U1.1
unconnected-(U1-Pad11): length 3.3
  Bottom w0.25: U1.11 132.87,57.07 132.39,57.55 131.38,57.55 130.92,57.09 U1.11
unconnected-(U1-Pad12): length 3.3
  Bottom w0.25: U1.12 130.92,54.47 131.47,55.01 132.41,55.01 132.87,54.55 U1.12
unconnected-(U1-Pad13): length 3.3
  Bottom w0.25: U1.13 115.68,54.55 116.14,55.01 117.06,55.01 117.63,54.44 U1.13
unconnected-(U1-Pad14): length 3.2
  Bottom w0.25: U1.14 117.63,56.98 117.06,57.55 116.25,57.55 115.68,56.98 U1.14
unconnected-(U2-Pad1): length 3.3
  Top w0.25: U2.1 115.68,82.38 116.25,82.95 117.06,82.95 117.78,82.23 U2.1
unconnected-(U2-Pad11): length 3.4
  Top w0.25: U2.11 115.68,57.09 116.23,57.64 116.97,57.64 117.63,56.98 U2.11
unconnected-(U2-Pad12): length 3.4
  Top w0.25: U2.12 115.68,54.55 116.17,55.04 117.14,55.04 117.63,54.55 U2.12
unconnected-(U2-Pad13): length 3.3
  Top w0.25: U2.13 132.87,54.47 132.33,55.01 131.38,55.01 130.92,54.55 U2.13
unconnected-(U2-Pad14): length 3.3
  Top w0.25: U2.14 130.92,56.98 131.49,57.55 132.41,57.55 132.87,57.09 U2.14

## Copper pours and planes (outline as drawn; the poured copper is in the pictures)
GND on Top, Bottom: 76.7,90.84 95,90.84 95.7,88.44 114.1,88.44 114.7,86.04 134.9,86.04 134.9,24.21 120.3,-0.76 103.8,8.91 66.5,13.91 56.9,23.91 0,23.81 0,80.91 19,80.91 19,83.21 38,83.21 38,90.41 57,90.41 57,95.11 76,95.11

## Text on the board
Bottom: 二十二
B.Mask: 二十二
B.Silkscreen: Nijuni v0.2 / designed by krikun98
Top: 二十二
F.Mask: 二十二
F.Silkscreen: Nijuni v0.2 / designed by krikun98
